# Altium PCB STM32F4 Control Board.PcbDoc
Units mm, origin at the board's own origin, x right, y up, seen from the top; angles counter-clockwise.
Board outline 88 x 95 mm, 4 copper layers (Top Layer, Int1 (GND), Int2 (PWR), Bottom Layer), stack 1.586 mm thick; 75 components, 61 nets, 297 pads, 487 vias.
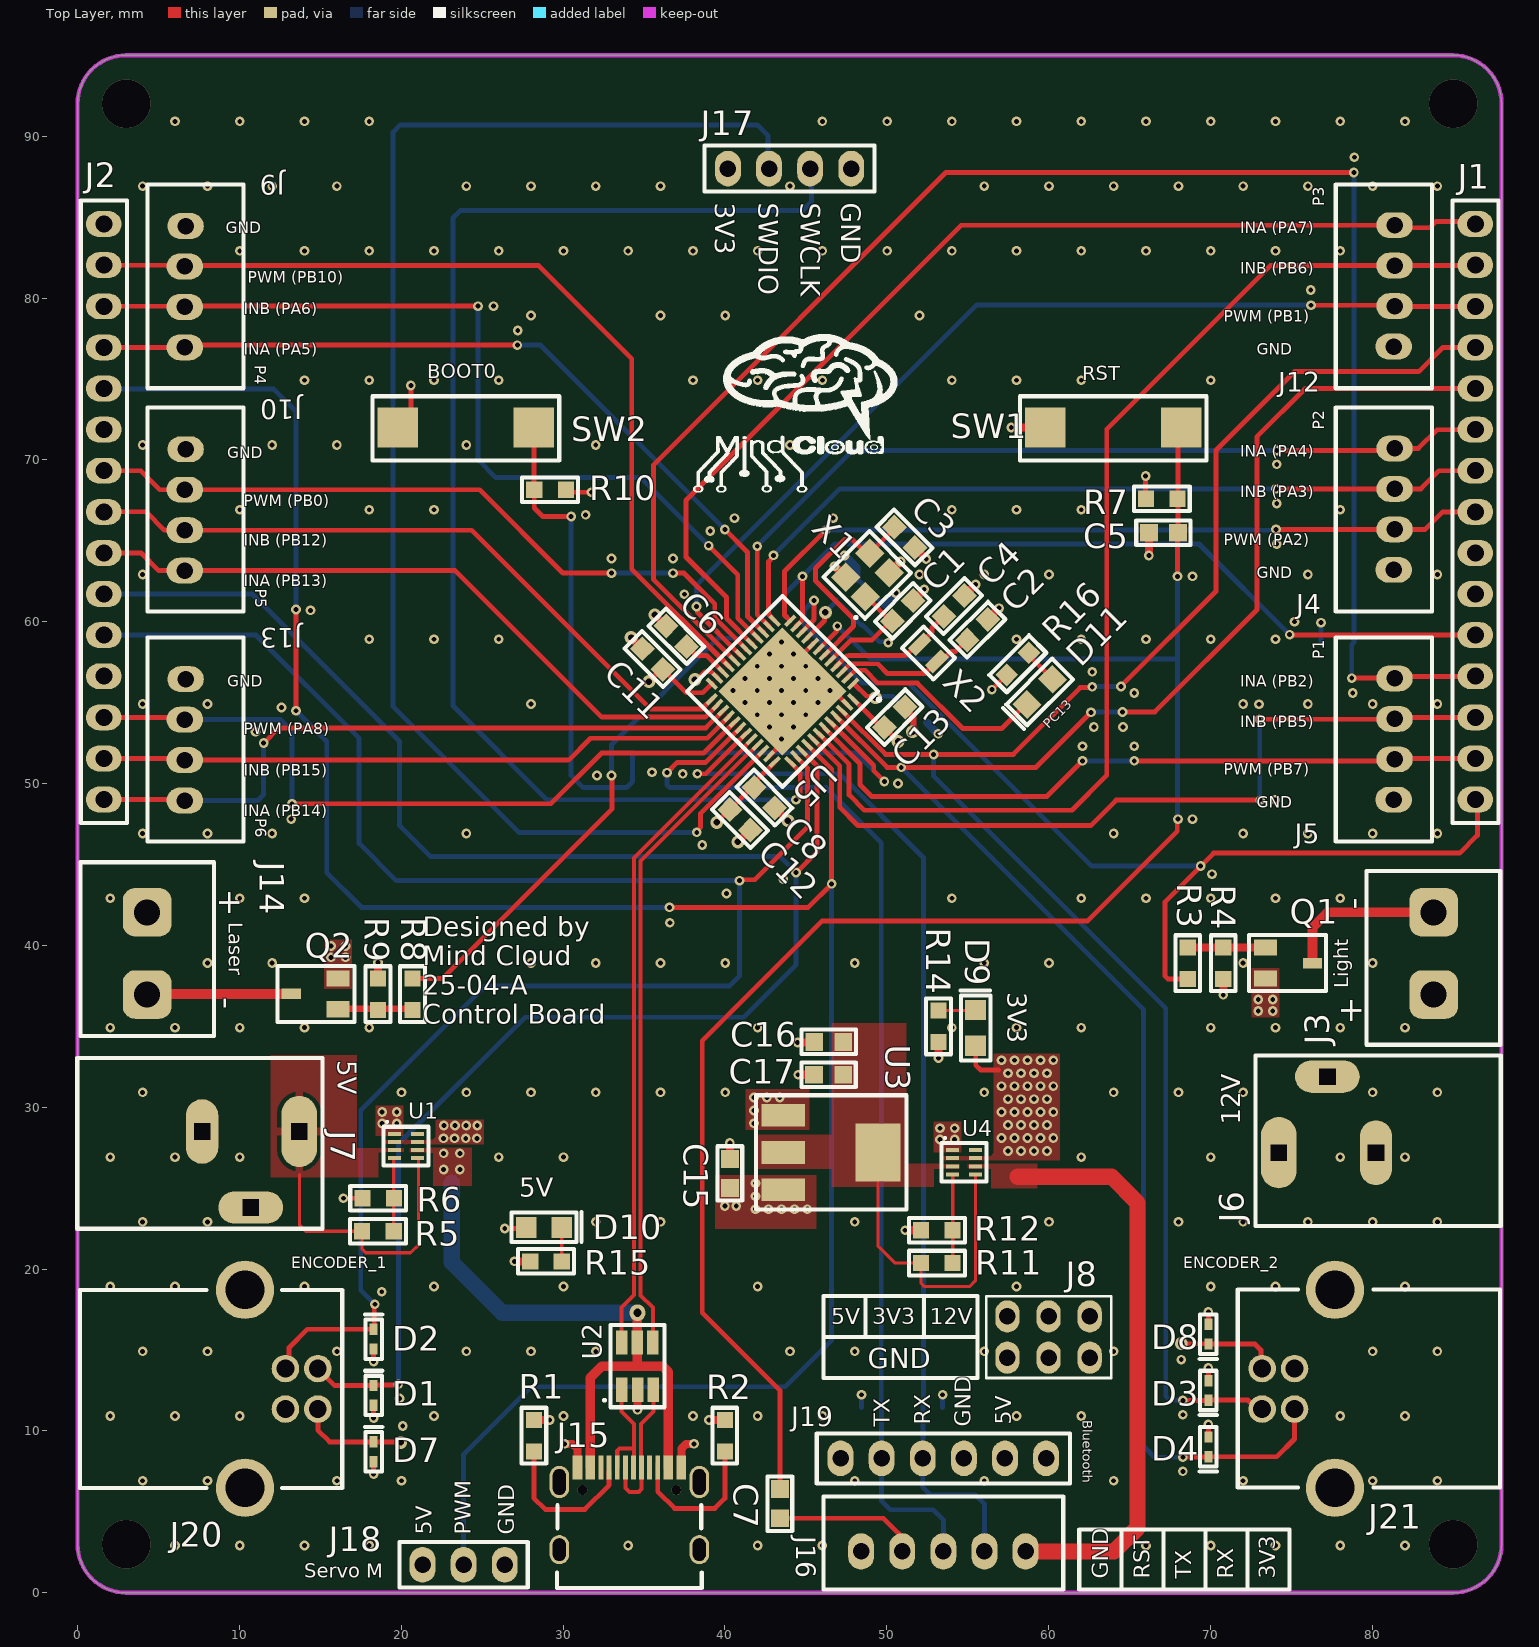
[diagram p0: Top Layer view]
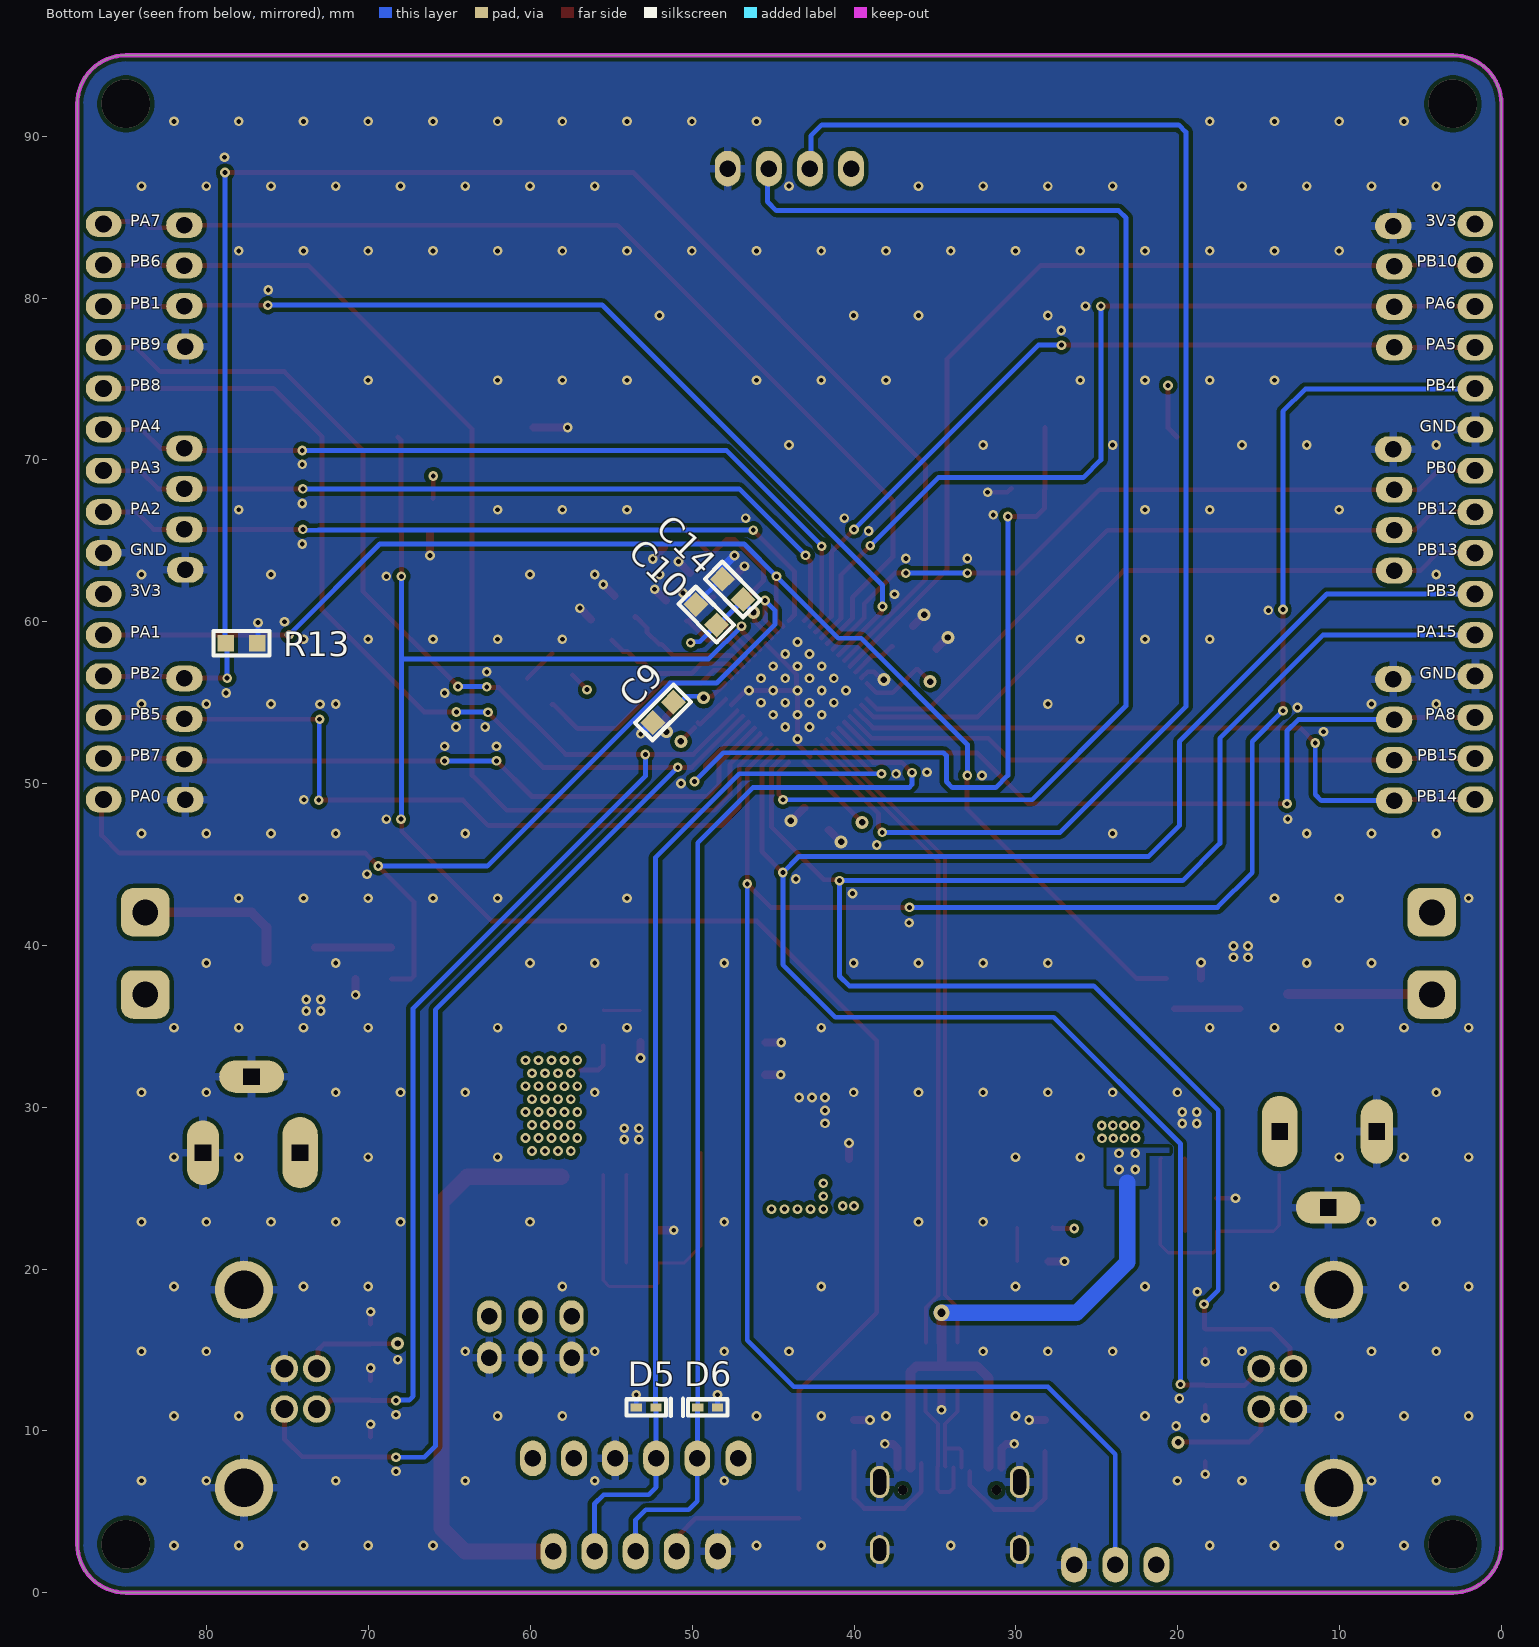
[diagram p1: Bottom Layer view, seen from below]
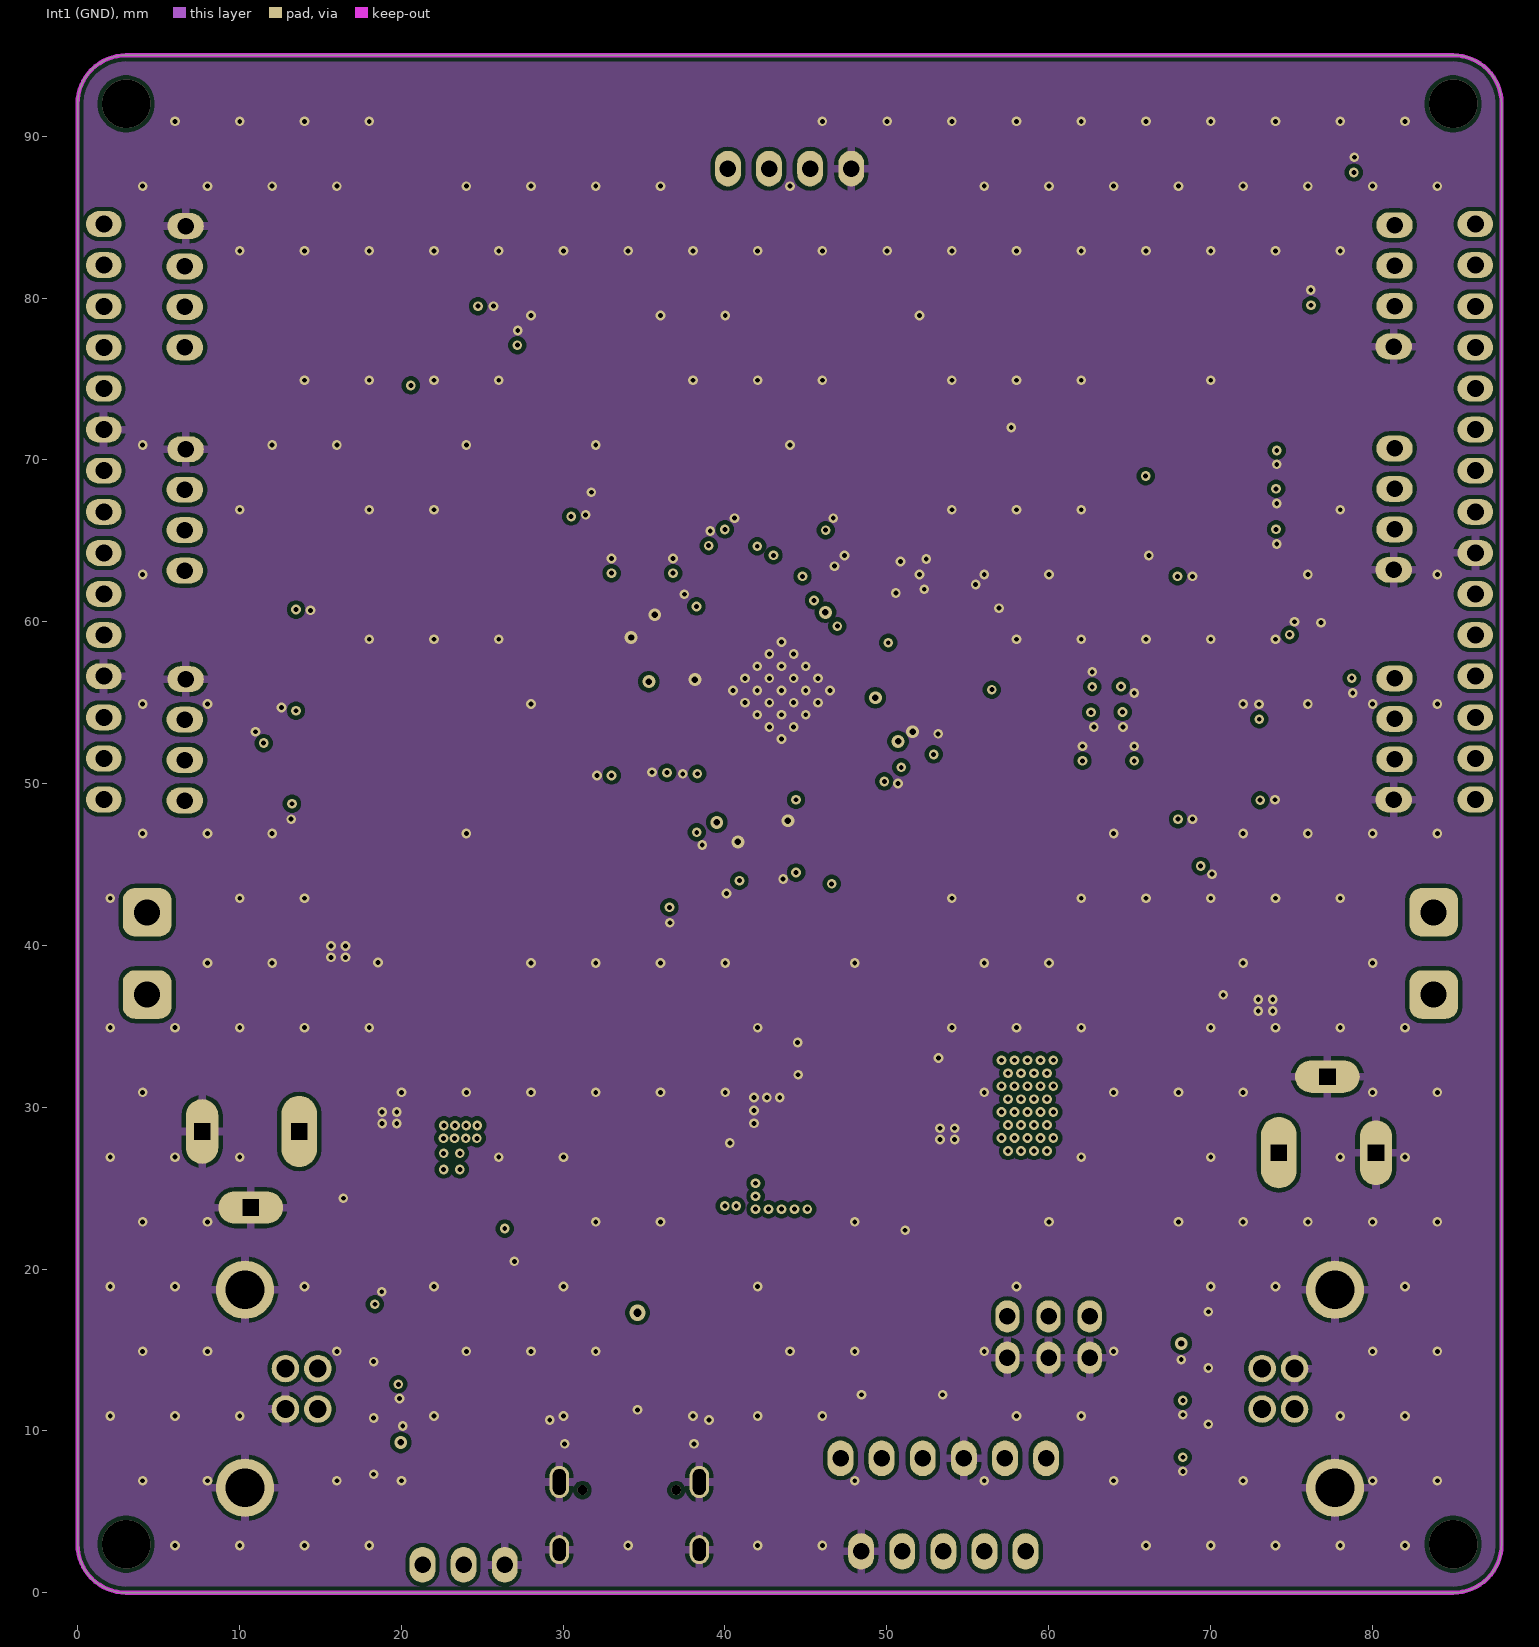
[diagram p2: Int1 (GND)]
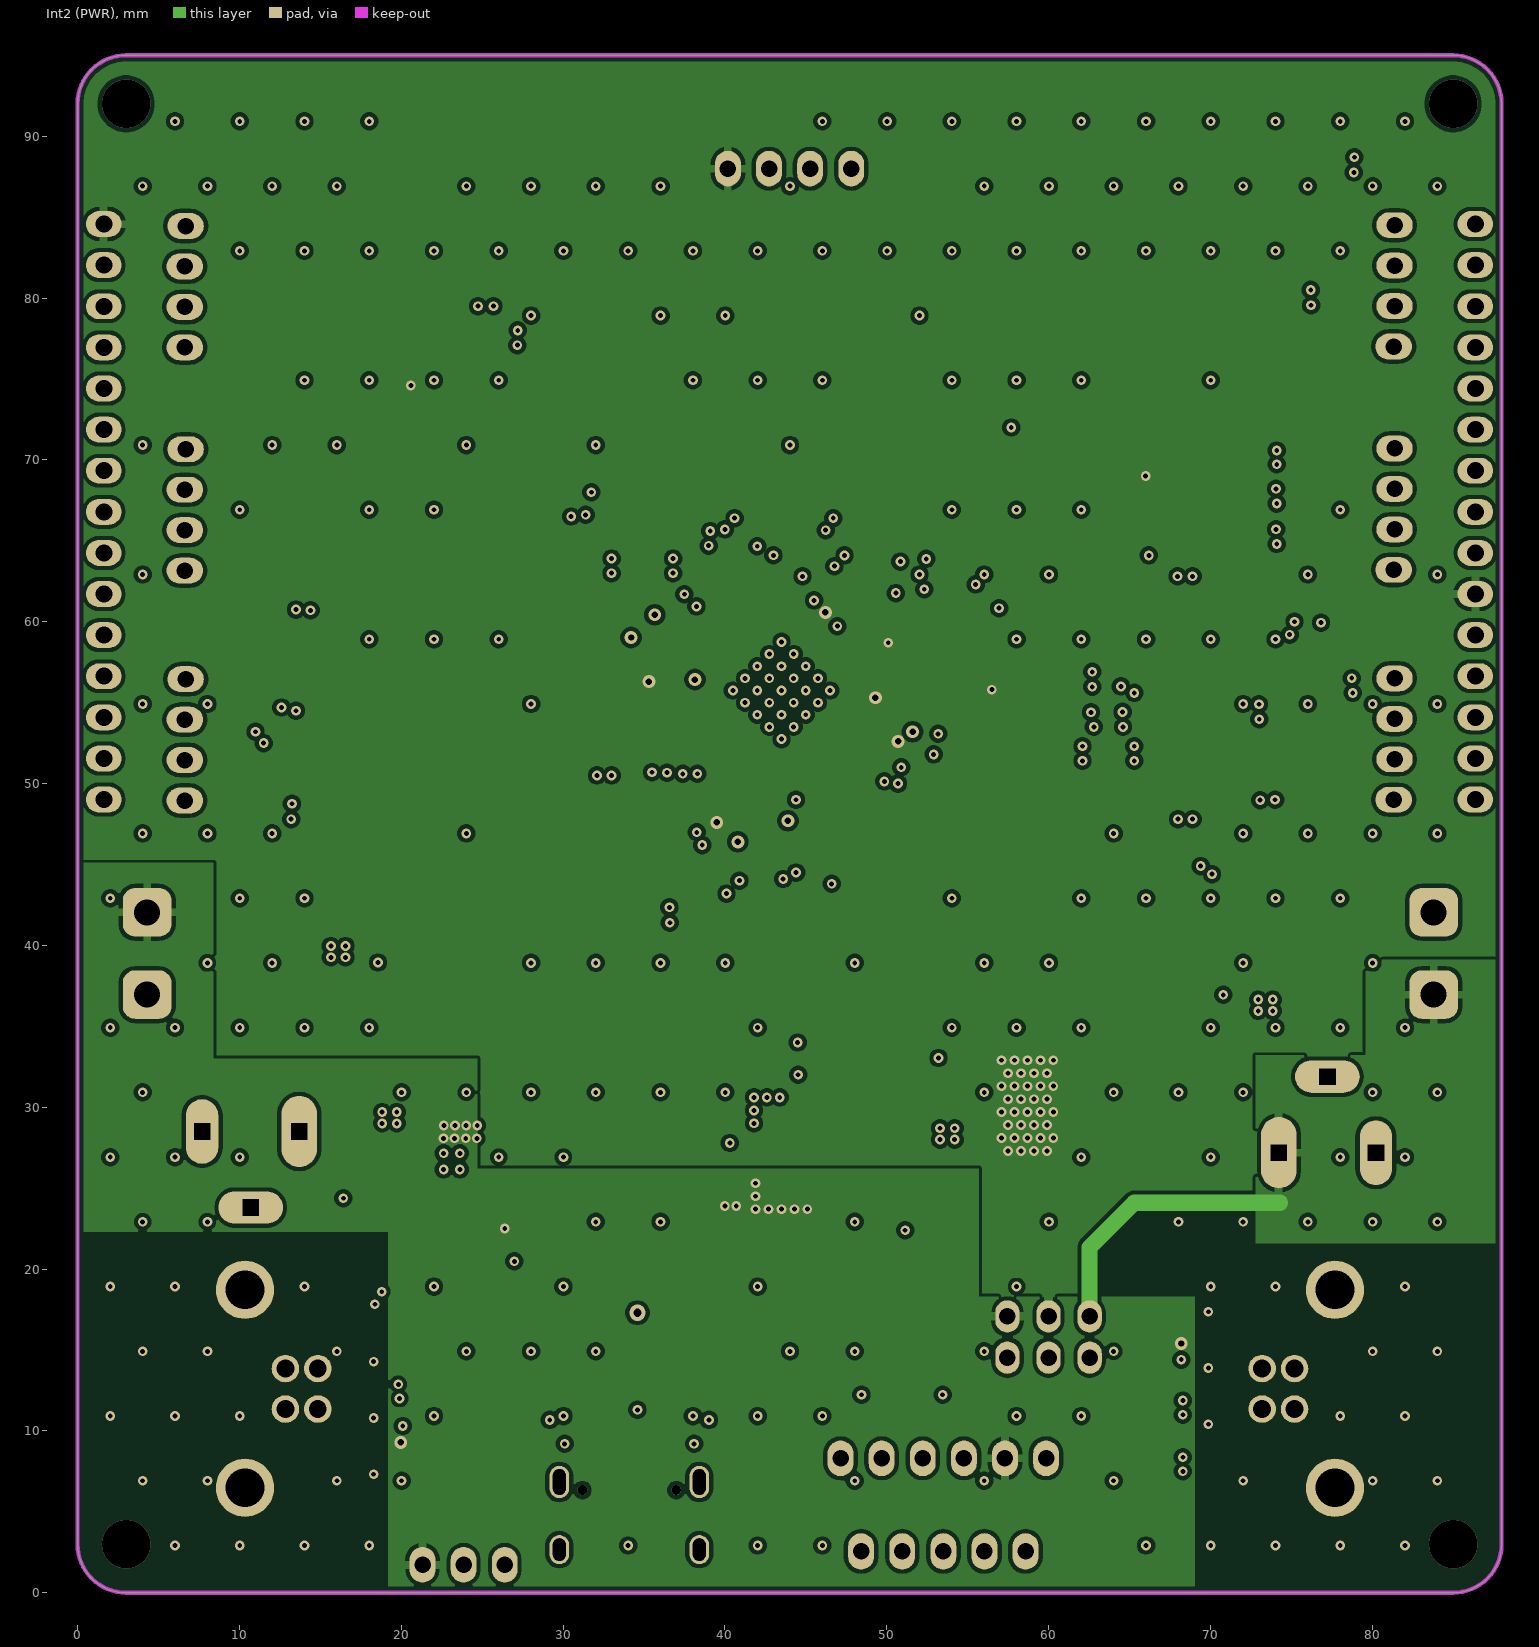
[diagram p3: Int2 (PWR)]
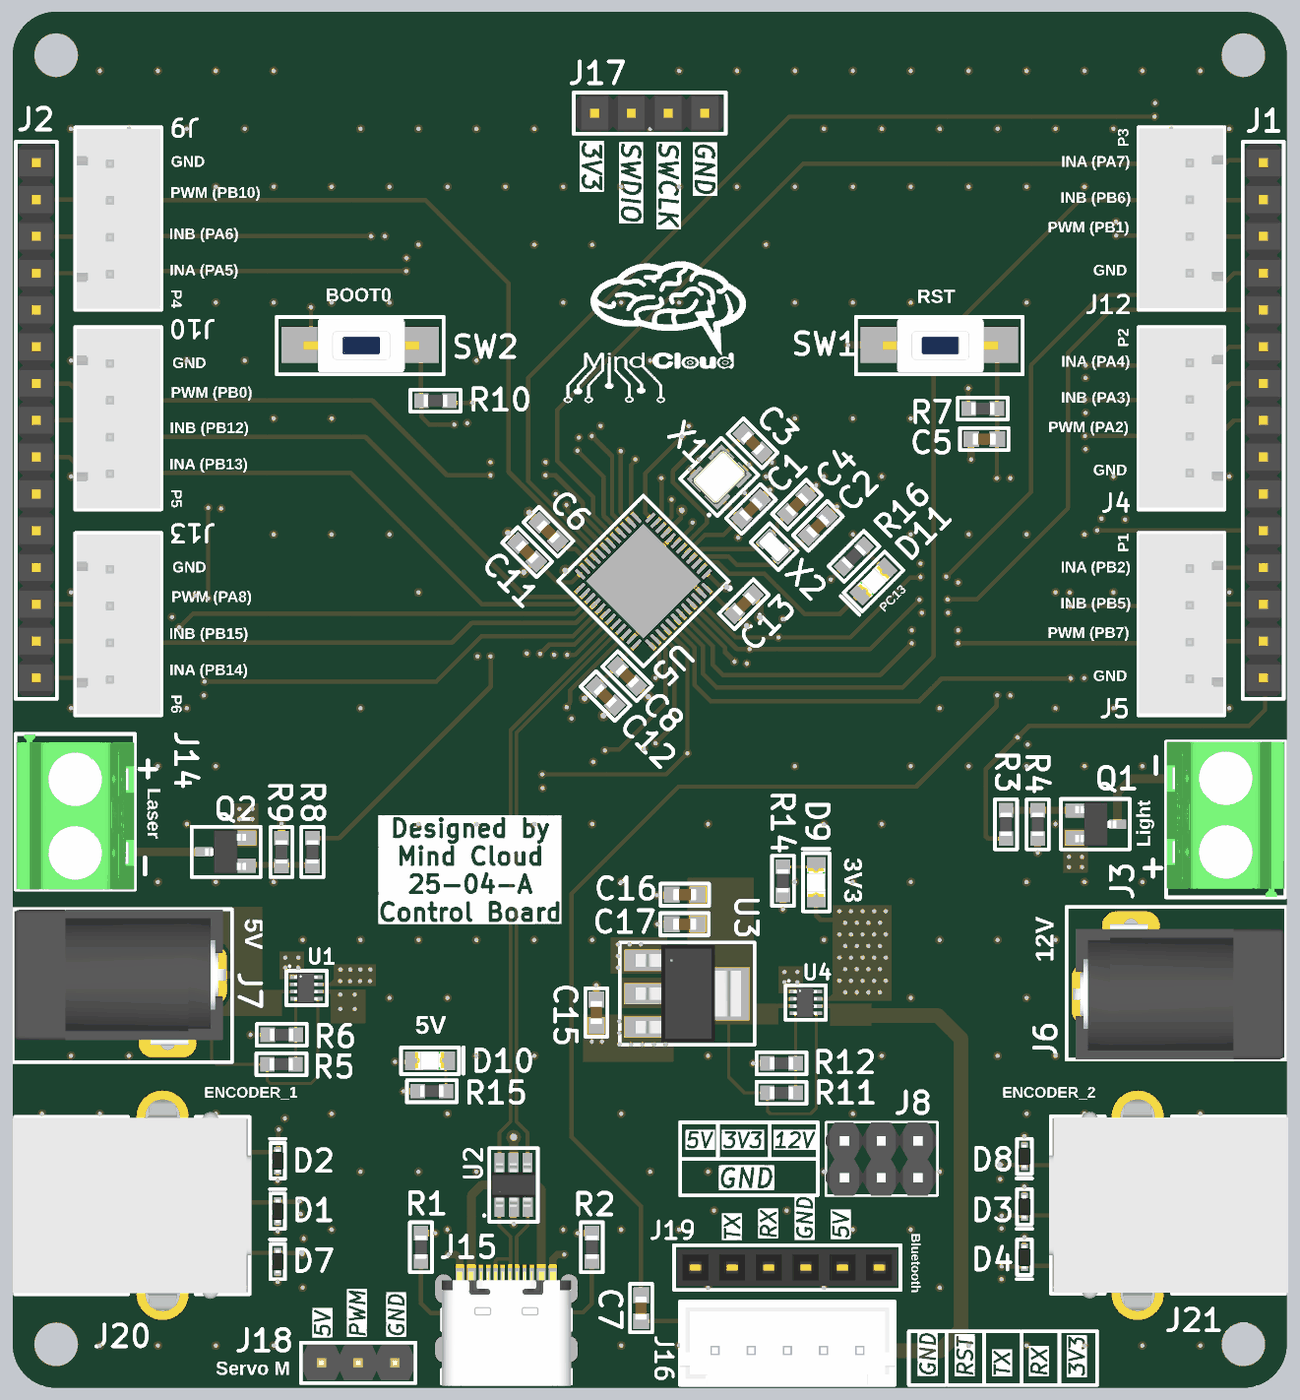
[diagram p4: 3D render of the assembled board from above, using the file's embedded part models]
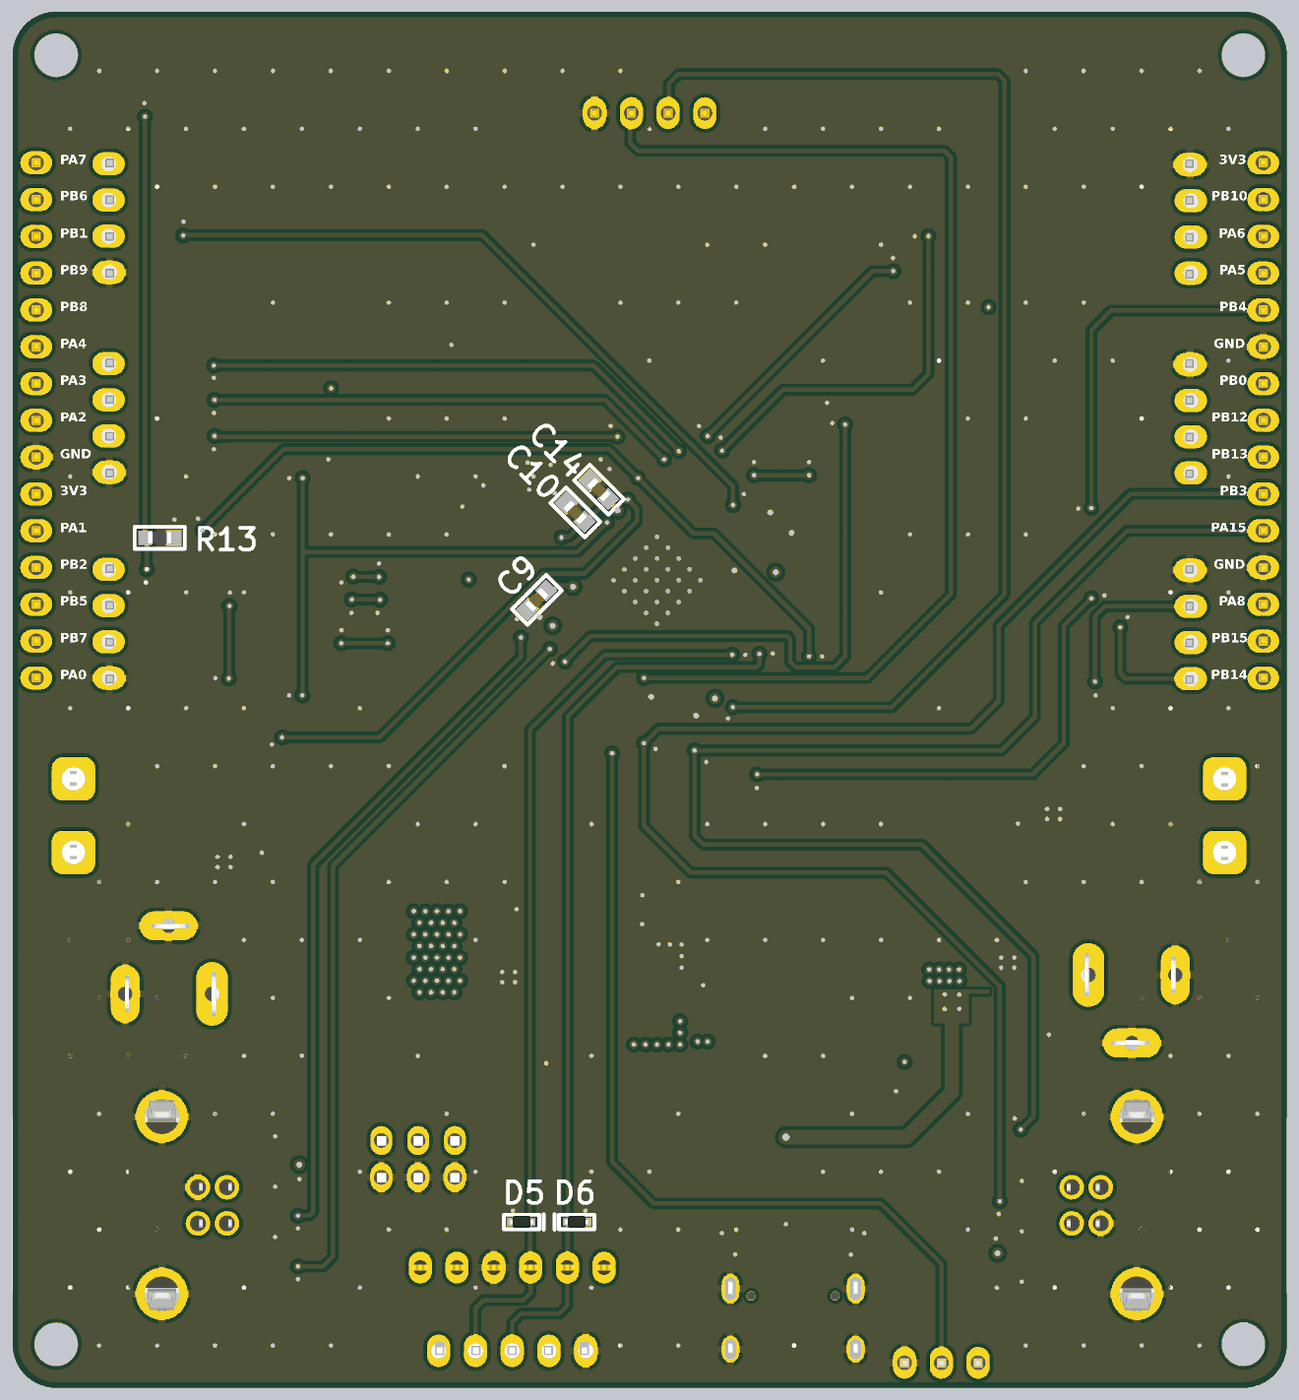
[diagram p5: 3D render of the assembled board from below, using the file's embedded part models]

## Layer stack, top to bottom
Top Solder: solder mask 0.0254, SM-001, Dk 4
Top Layer: signal copper 0.035
Dielectric 1: prepreg 0.2104, PP-017, Dk 4.4
Int1 (GND): signal copper 0.0152
Dielectric 3: core 1.065, Core-039, Dk 4.6
Int2 (PWR): signal copper 0.0152
Dielectric 5: prepreg 0.2104, PP-017, Dk 4.4
Bottom Layer: signal copper 0.035
Bottom Solder: solder mask 0.0254, SM-001, Dk 4

## Board outline
0,3 0,92 cw(c3,92) 3,95 85,95 cw(c85,92) 88,92 88,3 cw(c85,3) 85,0 3,0 cw(c3,3)

## Design rules (kind name [scope] priority, off if disabled: settings)
Clearance [All] p1: gap=0.254 ignorepadtopadclearanceinfootprint=FALSE except(0.1: Arc-Arc Arc-Track Track-Track; 0.127: Arc-THPad Track-THPad SMDPad-SMDPad SMDPad-THPad THPad-THPad; 0.15: SMDPad-Text THPad-Text Via-Text; 0.2: Arc-SMDPad Track-SMDPad Fill-Fill Fill-Poly Fill-Region Poly-Poly Poly-Region Region-Region)
DiffPairsRouting [InDifferentialPairClass('All Differential Pairs')] p1: maxlimit=0.166 minlimit=0.127 mostfreqgap=0.166 toplayer_mingap=0.166 toplayer_minwidth=0.25 toplayer_maxwidth=0.25 toplayer_prefwidth=0.25 bottomlayer_mingap=0.166 bottomlayer_minwidth=0.25 bottomlayer_maxwidth=0.25 bottomlayer_prefwidth=0.25 impedanceprofiledriven=TRUE impedanceprofileid={DDF70B60-AC8B-4306-BE12-CD352E7E8265} impedanceprofilevalue=90.000000 maxuncoupledlength=12.7
HoleSize [All] p1: absolutevalues=TRUE maxlimit=10 minlimit=0.025 maxpercent=80.000 minpercent=20.000
HoleToHoleClearance HoleToHoleClearance_Via [IsVia vs IsVia] p1: gap=0.2 allowstackedmicrovias=TRUE
HoleToHoleClearance HoleToHoleClearance_Pad [IsPad vs IsPad] p2: gap=0.45 allowstackedmicrovias=TRUE
MinimumSolderMaskSliver [All] p1: minsoldermaskwidth=0.1
PlaneConnect [All] p1: planeconnectstyle=Direct reliefexpansion=0.508 reliefentries=4 reliefconductorwidth=0.254 reliefairgap=0.254
PolygonConnect [All] p1: thpad.connectstyle=Relief thpad.reliefconductorwidth=0.5 thpad.reliefentries=4 thpad.polygonreliefangle="90 Angle" thpad.airgapwidth=0.254 smdpad.connectstyle=Direct smdpad.reliefconductorwidth=0.254 smdpad.reliefentries=4 smdpad.polygonreliefangle="90 Angle" smdpad.airgapwidth=0.254 via.connectstyle=Direct via.reliefconductorwidth=0.254 via.reliefentries=4 via.polygonreliefangle="90 Angle" via.airgapwidth=0.254
RoutingVias [All] p1: holewidth=0.3 width=0.6 viastyle="Through Hole" minholewidth=0.3 minwidth=0.6 maxholewidth=3 maxwidth=3.5
SilkToSilkClearance [All] p1: silktosilkclearance=0
SilkToSolderMaskClearance [IsPad] p1: minsilkscreentomaskgap=0 clearancetoexposedcopper=TRUE
SolderMaskExpansion SolderMaskExpansion_Via [IsVia] p1: expansion=0.102 istentingtop=TRUE
SolderMaskExpansion [All] p2: expansion=0.038 istentingtop=FALSE
SupplyNets "Schematic Supply Nets_7" [InNet('VCC JAC')] p1: voltage=0.000
SupplyNets "Schematic Supply Nets_6" [InNet('+5')] p2: voltage=0.000
SupplyNets "Schematic Supply Nets_5" [InNet('3.3_2')] p3: voltage=0.000
SupplyNets "Schematic Supply Nets_4" [InNet('VCC USBC')] p4: voltage=0.000
SupplyNets "Schematic Supply Nets_3" [InNet('3.3_1')] p5: voltage=0.000
SupplyNets "Schematic Supply Nets_2" [InNet('GND')] p6: voltage=0.000
SupplyNets "Schematic Supply Nets_1" [InNet('+12')] p7: voltage=0.000
SupplyNets "Schematic Supply Nets" [InNet('VCC')] p8: voltage=0.000
Width [All] p1: maxlimit=2 minlimit=0.1 preferedwidth=0.3 minimp=50.000000 maximp=50.000000 favimp=50.000000
23 further rules are at their usual default settings.

## Classes and differential pairs
differential pair PA: +PA_P -PA_N
differential pair D: +D_P -D_N

## Components (designator, comment, footprint, x,y, rotation, side; value= is the part's Value field where it differs from the comment)
C1 "10pF" "0603 CAP" 50.992,60.67 r45 top
C2 "10pF" "0603 CAP" 55.614,59.506 r45 top
C3 "10pF" "0603 CAP" 51.11,65.212 r315 top
C4 "10pF" "0603 CAP" 54.166,60.97 r45 top
C5 "100nF" "0603 CAP" 67.1,65.5 r0 top
C6 "4.7uF" "0603 CAP" 37,59.1 r135 top
C7 "100nF" "0603 CAP" 43.4,5.5 r90 top
C8 "4.7uF" "0603 CAP" 42.439,49.13 r135 top
C9 "100nF" "0603 CAP" 51.8,54.4 r315 bottom
C10 "100nF" "0603 CAP" 49.136,60.436 r45 bottom
C11 "100nF" "0603 CAP" 35.534,57.692 r135 top
C12 "100nF" "0603 CAP" 40.941,47.755 r315 top
C13 "100nF" "0603 CAP" 50.5,54.1 r45 top
C14 "1uF" "0603 CAP" 47.5,62 r45 bottom
C15 "100nF" "0603 CAP" 40.31,25.908 r270 top
C16 "10uF" "0603 CAP" 46.421,34.039 r180 top
C17 "10uF" "0603 CAP" 46.41,32.007 r180 top
D1 "ESD protection diode" "ESD PROTECTION DIODE" 18.3,12.19 r90 top
D2 "ESD protection diode" "ESD PROTECTION DIODE" 18.3,15.67 r90 top
D3 "ESD protection diode" "ESD PROTECTION DIODE" 69.875,12.495 r270 top
D4 "ESD protection diode" "ESD PROTECTION DIODE" 69.875,9.015 r270 top
D5 "ESD protection diode" "ESD PROTECTION DIODE" 52.85,11.45 r180 bottom
D6 "ESD protection diode" "ESD PROTECTION DIODE" 49.05,11.45 r0 bottom
D7 "ESD protection diode" "ESD PROTECTION DIODE" 18.3,8.711 r90 top
D8 "ESD protection diode" "ESD PROTECTION DIODE" 69.875,15.975 r270 top
D9 "RED led" "LED 0805" 55.5,34.9 r90 top
D10 "RED led" "LED 0805" 28.825,22.575 r0 top
D11 "RED led" "LED 0805" 59.455,55.666 r225 top
J1 "pin header 15 pin" "PIN HEADERS 15 PIN" 86.375,66.79 r90 top
J2 "pin header 15 pin" "PIN HEADERS 15 PIN" 1.625,66.79 r270 top
J3 "Rozita 2 pin" ROZITA 83.8,39.5 r90 top
J4 "JST 4PIN" "JST 4PIN" 81.379,66.957 r90 top
J5 "JST 4PIN" "JST 4PIN" 81.379,52.75 r90 top
J6 "DC JAC" "DC JACK" 79.387,28.119 r180 top
J7 "DC Jak" "DC JACK" 8.546,27.572 r0 top
J8 "2x3 pins" "2X3 PINS" 60,15.8 r0 top
J9 "JST 4PIN" "JST 4PIN" 6.63,80.699 r270 top
J10 "JST 4PIN" "JST 4PIN" 6.63,66.906 r270 top
J12 "JST 4PIN" "JST 4PIN" 81.379,80.75 r90 top
J13 "JST 4PIN" "JST 4PIN" 6.63,52.699 r270 top
J14 "Rozita 2 pin" ROZITA 4.3,39.5 r270 top
J15 "USB TYPE-C-31-M-12" "USB TYPE-C" 34.1,5.2 r0 top
J16 "jst 5pin 2.5mm" "JST 5 PIN 2.5 MM" 53.5,2.55 r0 top
J17 "PIN HEADER 4 PIN" "PIN HEADER 4PIN" 44,88 r0 top
J18 "Plugin,P=2.54mm" "PIN HEADER 3 PIN" 23.86,1.725 r0 top
J19 "pin header 6" "PIN HEADER 6 PIN" 53.5,8.3 r180 top
J20 "USBB" USBB 12.6,12.6 r270 top
J21 "USBB" USBB 75.45,12.6 r90 top
Q1 "1 N channel mosfet" "1 N CHANNEL MOSFET" 74.526,39.052 r0 top
Q2 "1 N channel mosfet" "1 N CHANNEL MOSFET" 14.986,36.858 r180 top
R1 "5.1K" "0603 RES" 28.2,9.7 r90 top
R2 "5.1K" "0603 RES" 40,9.7 r90 top
R3 "1K" "0603 RES" 68.6,38.9 r90 top
R4 "10k" "0603 RES" 70.8,38.9 r90 top
R5 "10k" "0603 RES" 18.561,22.339 r180 top
R6 "10k" "0603 RES" 18.58,24.371 r0 top
R7 "10k" "0603 RES" 67,67.6 r0 top
R8 "1K" "0603 RES" 20.7,36.985 r270 top
R9 "10k" "0603 RES" 18.568,36.985 r270 top
R10 "10k" "0603 RES" 29.2,68.15 r0 top
R11 "10k" "0603 RES" 53.1,20.368 r180 top
R12 "10k" "0603 RES" 53.1,22.4 r0 top
R13 "10k" "0603 RES" 77.851,58.674 r0 bottom
R14 "330 ohm" "0603 RES" 53.2,35 r90 top
R15 "1K" "0603 RES" 28.95,20.475 r180 top
R16 "1K" "0603 RES" 58.1,57.4 r45 top
SW1 "push button" "PUSH BUTTON" 64,72 r180 top
SW2 "push button" "PUSH BUTTON" 24,72 r180 top
U1 "TPS2116DRLR" "POWER DISTRIBUTION" 20.3,27.6 r0 top
U2 "USB TYPE C ESD" "USB C ESD" 34.6,14 r90 top
U3 "ST ldo 3.3 regulator" ST_LDO 46.533,27.206 r0 top
U4 "Texas Instruments TPS2116DRLR" "POWER DISTRIBUTION" 54.775,26.6 r0 top
U5 "High-performance basic series ARM Cortex-M4 MCU with DSP and FPU, featuring 512 KB Flash, 100 MHz CPU, and ART accelerator" "STM32 UFQFPN-48" 43.562,55.694 r225 top
X1 "Shenzhen SCTF Elec SX3B25.000F0810G30" "25MHZ CRYSTAL OSCILLATORS" 48.809,62.879 r45 top
X2 "Seiko Epson X1A0000610006" "32.768 KHZ CRYSTAL OSCILLATOR" 52.575,58.075 r135 top
